# Altium PCB RevA2.PcbDoc (part 2 of 6) (continued)
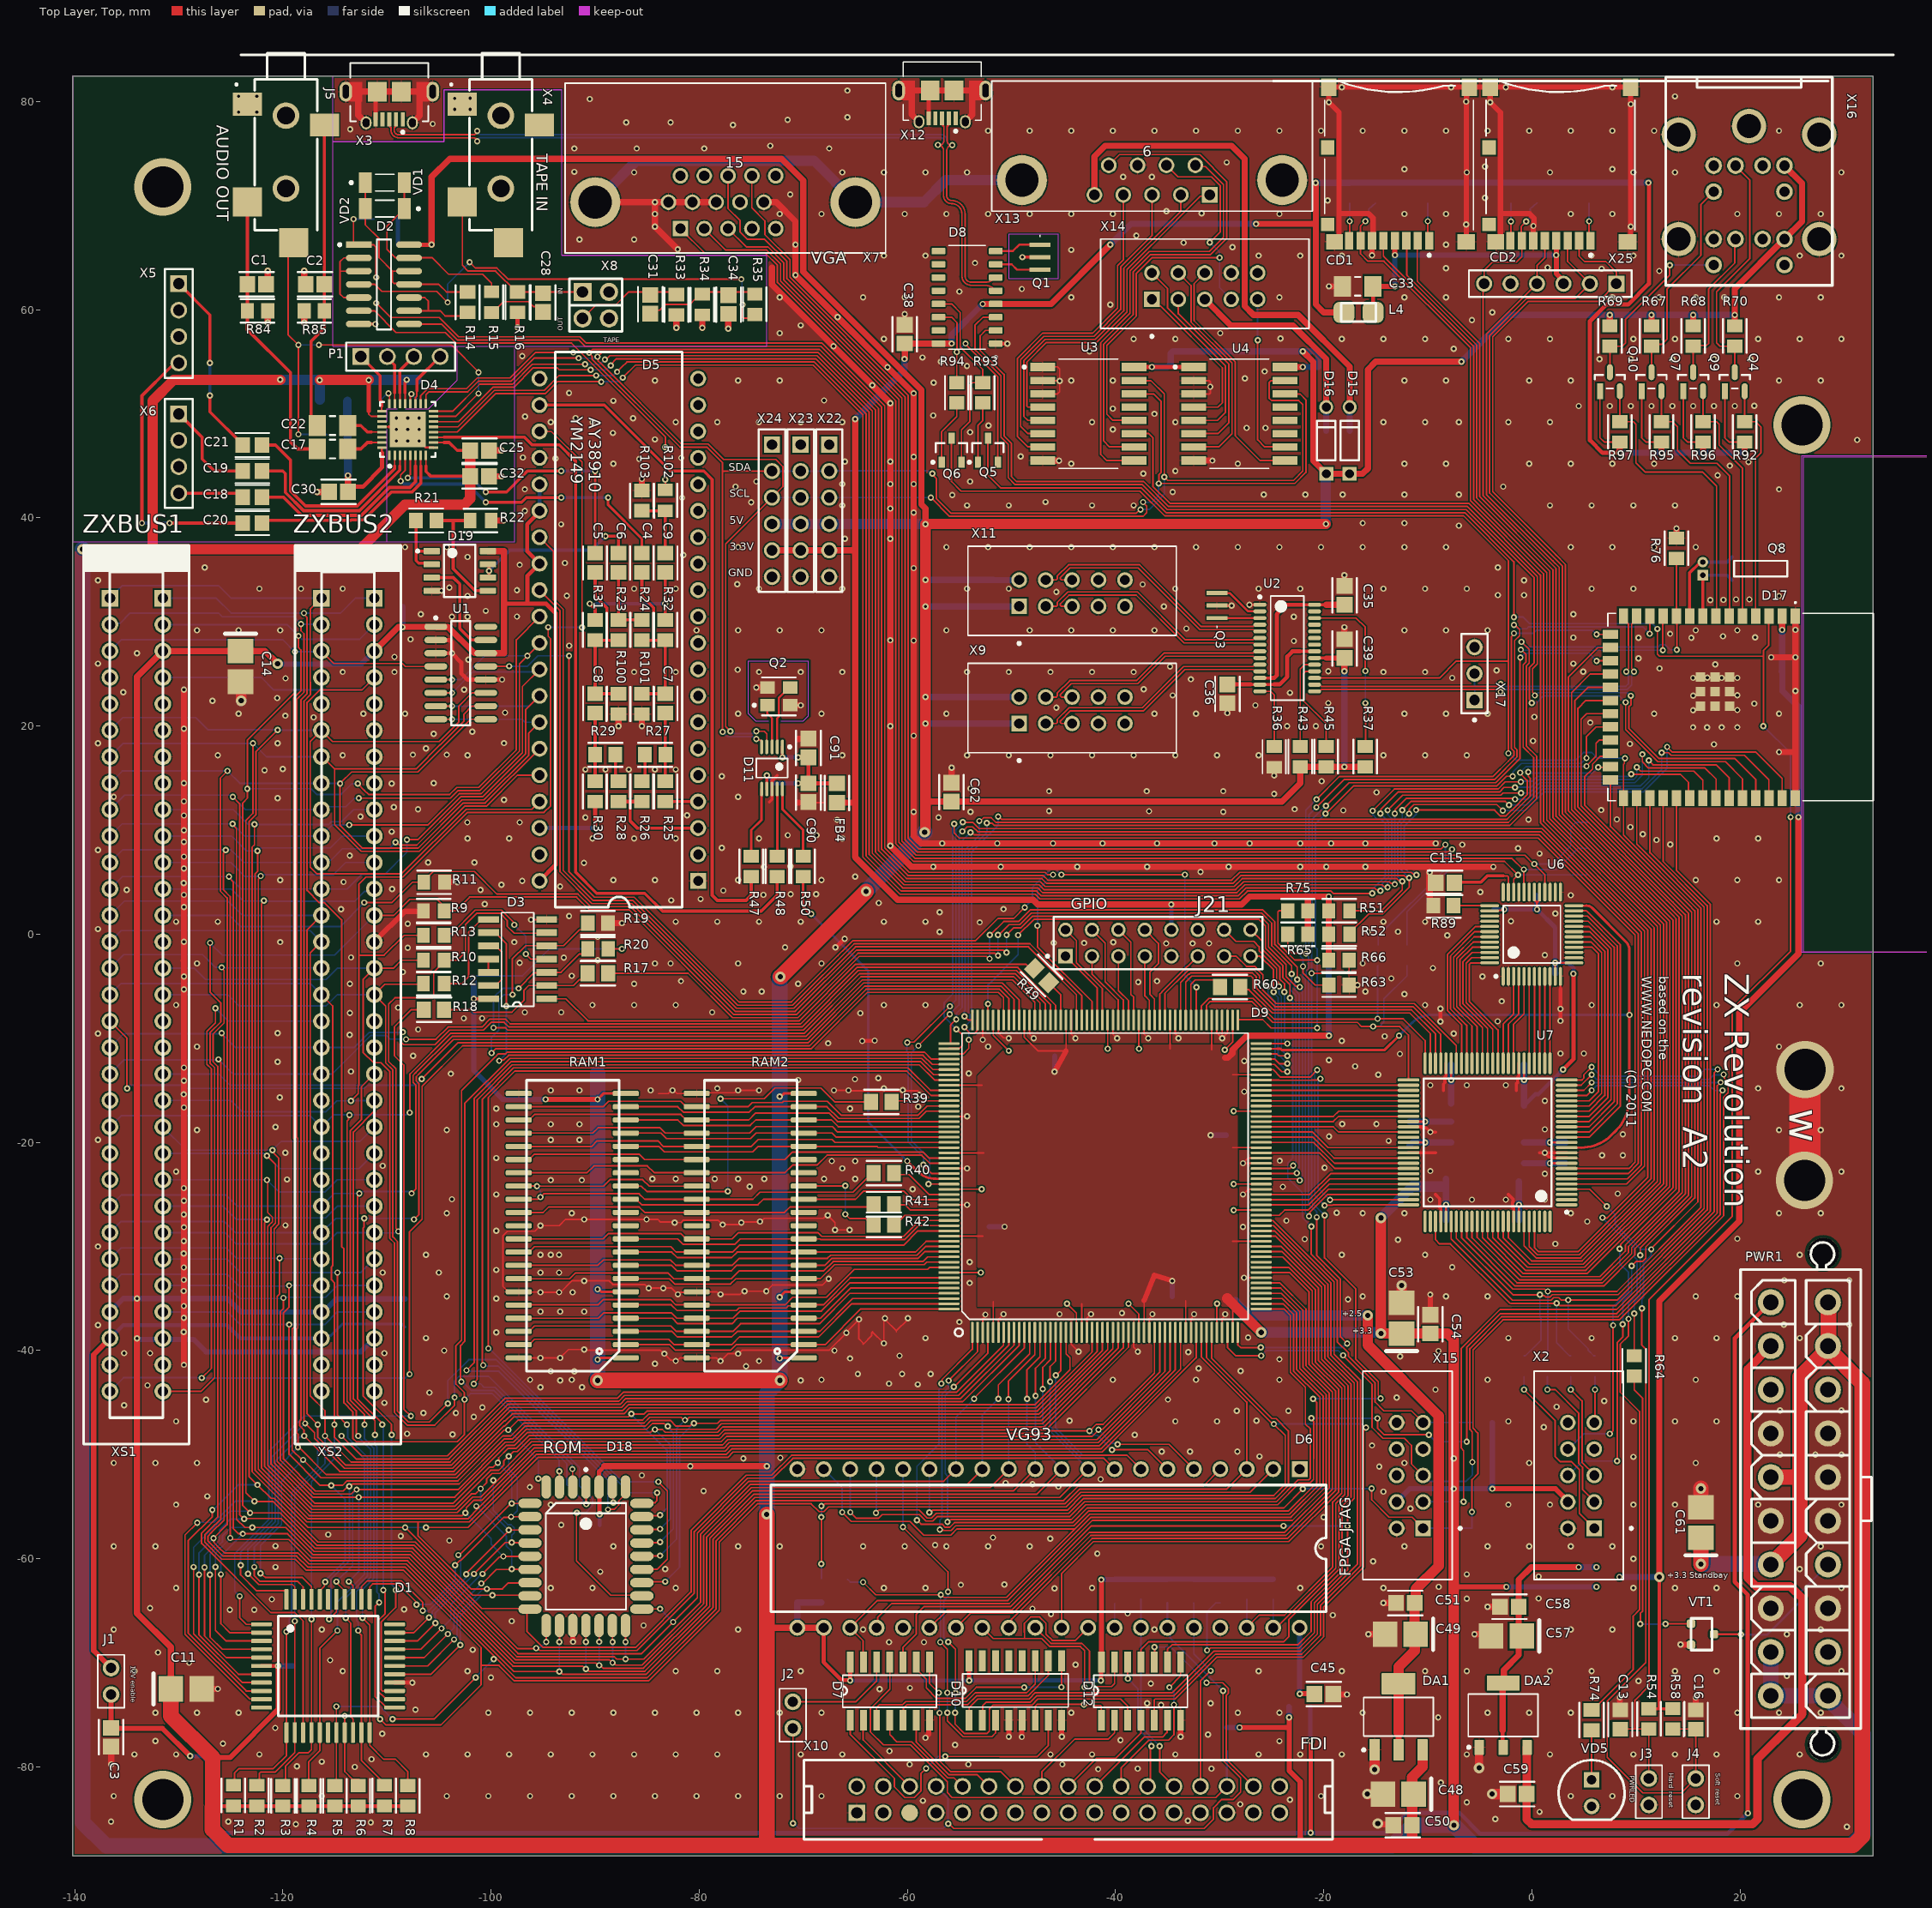
[diagram p0: Top Layer, Top view]
## Nets (pads, with @x,y where several pads share a name; then routed paths per layer and width w, separated by ;. In a path a pad name is that pad's centre, name@x,y a point inside that pad or via, vN(x,y) a via of type N, cw(c..) or ccw(c..) an arc to the next point about the centre after c; other vN are vias at no path point)
2V5: C49.1 C51.1 C77.1 C84.1 C86.1 C88.1 D9.21 D9.33 D9.48 D9.72 D9.77 D9.91 D9.106 D9.124 D9.130 D9.152 D9.185 D9.201 DA1.2 DA1.4 | length 94.9
  Top Layer, Top w0.15: D9.201@-56,-32.5 v1(-52.95,-32.5) ; D9.185@-56,-24.5 v1(-52.85,-24.5) ; D9.152@-51.75,-8.25 -51.75,-9.7 v1(-50.25,-11.2) ; v1(-44.65,-35.5) -43.75,-36.4 D9.21@-43.75,-38.25 ; v1(-40.75,-11) D9.130@-40.75,-8.25 ; v1(-38.75,-35.5) -37.75,-36.5 D9.33@-37.75,-38.25 ; v1(-37.75,-11) D9.124@-37.75,-8.25 ; D9.48@-30.25,-38.25 v1(-30.25,-35.5) ; v1(-29.504,-11.113) -28.75,-10.359 D9.106@-28.75,-8.25 ; v1(-28.65,-26.5) D9.72@-26,-26.5 ; v1(-28.65,-24) D9.77@-26,-24 ; v1(-28.65,-17) D9.91@-26,-17
  Top Layer, Top w0.6: DA1.2@-12.804,-78.363 -12.804,-76.721
  Top Layer, Top w1: v6(-15.754,-36.613) -15.754,-39.475 -8.944,-46.285 -8.944,-60.694 -11.154,-62.904 -11.154,-64.513 -11.279,-64.638 -11.279,-67.088 -11.254,-67.113 -11.254,-68.838 -12.804,-70.388 DA1.4@-12.804,-72.013 -12.804,-76.721
  Bottom Layer, Bottom w1: -28.504,-35.363 -27.254,-36.613 v6(-15.754,-36.613)
3V3: C23.1 C24.1 C25.1 C32.1 C38.1 C53.1 C54.1 C63.1 C64.1 C65.1 C66.1 C67.1 C68.1 C69.1 C70.1 C71.1 C72.1 C73.1 C76.1 C82.1 C85.1 C89.1 D4.8 D4.10 D4.21 D4.26 D8.4 D8.16 D9.5 D9.22 D9.34 D9.42 D9.51 D9.66 D9.84 D9.98 D9.110 D9.118 D9.138 D9.146 D9.165 D9.178 D9.194 FB4.1 J21.10 L1.2 L4.2 PWR1.1 PWR1.2 PWR1.11 Q4.1 Q7.1 Q9.1 Q10.1 R51.1 R52.1 R65.2 R66.2 R71.1 R73.1 R75.2 R77.2 R78.2 R79.2 R80.2 R81.2 R82.2 R92.1 R95.1 R96.1 R97.1 U6.11 U6.13 U6.29 U6.30 U6.38 U7.9 U7.13 U7.31 U7.45 U7.59 U7.63 U7.80 U7.94 VD4.1 X2.4 X15.4 X22.5 X23.5 X24.5 | length 1002.6
  Top Layer, Top w0.15: -111.75,50.25 -111.75,50 -111.5,49.75 D4.26@-110.475,49.75 ; D4.21@-108.25,50.975 -108.25,52 ; -106.25,45 D4.8@-106.25,46.025 ; D4.10@-105.525,47.25 -104.5,47.25 ; D9.194@-56,-29 -52.75,-29 ; D9.178@-56,-21 -52.65,-21 ; D9.165@-56,-14.5 -52.85,-14.5 ; D9.5@-51.75,-38.25 -51.75,-35.3 ; D9.146@-48.75,-8.25 -48.75,-9.913 -47.463,-11.2 -44.75,-11.2 D9.138@-44.75,-8.25 ; D9.22@-43.25,-38.25 -43.25,-35.5 ; D9.34@-37.25,-38.25 -37.25,-35.2 ; -34.75,-11 D9.118@-34.75,-8.25 ; D9.42@-33.25,-38.25 -33.25,-35.2 ; -30.75,-11.1 D9.110@-30.75,-8.25 ; D9.51@-28.75,-38.25 -28.75,-36.412 -28.75,-35.5 ; -28.75,-29.5 D9.66@-26,-29.5 ; -28.75,-20.5 D9.84@-26,-20.5 ; -28.75,-13.5 D9.98@-26,-13.5 ; -28.65,-35.5 -28.65,-35.4 ; Q10.1@6.55,52.18 6.55,47.7 6.952,47.298 R97.1@8.45,47.297 ; Q7.1@10.55,52.18 10.55,47.7 10.952,47.298 R95.1@12.45,47.297 ; Q9.1@14.55,52.18 14.55,47.7 14.952,47.298 R96.1@16.45,47.297 ; Q4.1@18.55,52.18 18.55,47.7 18.952,47.298 R92.1@20.45,47.297
  Top Layer, Top w0.2: U6.38@-4.05,2.25 -3.438,2.25 ccw(c-3.438,2.45) -3.404,2.253 v1(-2.66,2.381) ; U6.30@0.25,4.05 0.25,3.3 0.502,3.048 ; v1(0.502,2.381) 0.502,3.048 ; U6.29@0.75,4.05 0.717,4.017 0.717,3.267 0.502,3.052 0.502,3.048 ; U6.11@2.25,-4.05 2.25,-3.3 2.241,-2.951 cw(c2.441,-2.946) 2.241,-2.947 v1(2.24,-2.744) 2.938,-2.75 ccw(c2.94,-2.55) 2.94,-2.75 U6.13@4.05,-2.75
  Top Layer, Top w0.22: U7.63@-11.85,-20 v1(-10.25,-20) ; U7.59@-11.85,-18 v1(-10.25,-18) ; v1(-8.253,-26.002) -8.25,-26.005 U7.80@-8.25,-27.6 ; v1(-7.75,-14) U7.45@-7.75,-12.4 ; U7.94@-1.25,-27.6 v1(-1.25,-26) ; v1(-0.75,-14) U7.31@-0.75,-12.4 ; v1(1.75,-22) U7.9@3.35,-22 ; v1(1.75,-20) U7.13@3.35,-20
  Top Layer, Top w0.3: -108.25,52 -108.25,53.043 -108.106,53.187 v1(-108.106,53.268) ; -106.25,45 -106.25,44.475 -105.775,44 C32.1@-102,44 ; -104.5,47.25 -104.025,47.25 -103.25,46.475 C25.1@-102,46.475
  Top Layer, Top w0.4: -111.75,50.25 v1(-111.75,53.25) ; C38.1@-60.25,56.757 C38.1@-60.24,56.747 ; D8.16@-57.004,56.747 D8.16@-56.999,56.752 ; v1@-55.755,56.752 v1(-55.75,56.757) ; v1(-20.758,72.202) v1@-20.754,72.197 ; v1(3,-13) 4,-12 v1(4,-3.789) ; v1(8.45,46.25) 6.798,46.25 5.58,47.468 5.58,58.902 7.178,60.5 9.25,60.5 11.25,62.5 v1@11.25,72.25
  Top Layer, Top w0.5: v1(-45.85,-13.2) -44.75,-11.2 ; -37.25,-35.2 -36.265,-32.753 v1(-34.55,-33.3) ; -7.504,-62.904 -7.3,-62.7 v1(-2.45,-62.7) ; v1(-3.796,-53.273) 2.283,-53.273 X2.4@3.535,-54.526
  Top Layer, Top w0.6: X24.5@-73,36.88 X23.5@-70.25,36.88 X22.5@-67.5,36.88 -65,36.88 ; FB4.1@-66.75,12.649 -65,12.649 ; v1(-65,49.5) -65,36.88 ; v1(-60.264,55.272) -60.24,55.296 -60.24,56.747 D8.16@-57.004,56.747 ; D8.16@-56.999,56.752 v1@-55.755,56.752 ; v1(-52.75,60.557) D8.4@-51.504,60.557 -46.193,60.557 v1(-40.5,66.25) ; -29.476,-11.863 -29.193,-11.863 -28.754,-11.424 -28.754,-11.131 -27.373,-9.749 v1(-19.5,-9.749) ; v1(-26.5,68.25) -20.817,68.25 -20.754,68.187 ; R65.2@-21.499,0 R75.2@-21.499,2.25 -21.5,3.625 ; v1@-20.754,72.197 -20.754,68.187 ; R66.2@-19.511,-2.5 R52.1@-19.51,0 R51.1@-19.51,2.25 v1(-19.51,3.625) -21.5,3.625 ; L4.2@-18.044,59.75 -20,59.75 -20.754,60.504 -20.754,68.187 ; v1(8.45,46.25) R97.1@8.45,47.297 ; v1(12.45,46.25) R95.1@12.45,47.297 ; v1(16.45,46.25) R96.1@16.45,47.297 ; v1(20.45,46.25) R92.1@20.45,47.297 ; -65,12.649 -65,7.404 -60.921,3.325 -47.916,3.325 -47.454,2.863 v1(-34.637,2.863) -27.87,2.863 -27.108,3.625 -21.5,3.625 ; -65,12.649 -65,36.88
  Top Layer, Top w1: v3(-139.25,37) -132.5,37 ; v1(-120.25,53.273) -130.477,53.273 -132.5,51.25 -132.5,37 ; v1(-116.452,53.25) v1(-111.75,53.25) ; C25.1@-102,46.475 C32.1@-102,44 -102,41.846 -102.586,41.26 -108.293,41.26 -112.553,37 -132.5,37 ; -29.25,-35 -28.75,-35.5 v3(-26,-38.25) ; v3(-14.502,-27.252) v6(-14.502,-38.361) -12.254,-38.361 -12.252,-38.363 -9.506,-38.363 -9.504,-38.361 -8.09,-38.361 -7.504,-38.947 v1(-7.504,-50.368) -7.504,-62.904 -7.504,-85.603 v3(-7.496,-85.61)
  Bottom Layer, Bottom w0.4: J21.10@-34.637,0.426 v1(-34.637,2.863) ; C70.1@-3.695,2.381 v1(-2.66,2.381) v1(0.502,2.381) ; -0.75,-16.466 0.358,-15.358 0.642,-15.358 v1(3,-13) ; v1@0.515,2.381 2.24,0.657 v1(2.24,-2.744) 3.494,-2.744 4,-3.25 v1(4,-3.789)
  Bottom Layer, Bottom w0.5: C89.1@-52.15,-28.1 v1(-50.65,-28.1) ; v1(-45.85,-13.2) C85.1@-45.85,-11.7 ; C82.1@-34.55,-34.8 v1(-34.55,-33.3) ; v1(-30.85,-19.3) C76.1@-29.35,-19.3 ; X15.4@-12.984,-54.526 -11.731,-53.273 v1@-7.509,-53.273 ; v1(-7.498,-53.273) v1(-3.796,-53.273) R73.1@-3.796,-51.986 R71.1@-3.796,-46.906 ; v1(-2.45,-62.7) v1(6.213,-62.7)
  Bottom Layer, Bottom w0.6: L1.2@-116.581,51.25 L1.2@-116.452,51.378 ; v1(-65,49.5) -60.264,54.236 v1(-60.264,55.272) ; v1(-55.75,56.757) -55.75,57.557 v1(-52.75,60.557) ; v1(-40.5,66.25) -38.5,68.25 v1(-26.5,68.25) ; v1(-20.758,72.202) -17.502,72.202 R82.2@-17.5,72.204 R81.2@-15,72.204 R80.2@-10,72.204 R79.2@-2,72.204 R78.2@0.5,72.204 R77.2@5.5,72.204 v1(11.204,72.204) v1@11.25,72.25 ; v1(-19.51,3.625) -19.51,-9.74 v1(-19.5,-9.749) ; C71.1@-11.75,-20.281 -11.457,-19.988 -10.262,-19.988 v1(-10.25,-20) -7.75,-20 ; C69.1@-11.75,-18 v1(-10.25,-18) -7.75,-18 ; C68.1@-8.253,-27.5 v1(-8.253,-26.002) -8.253,-23.503 -8.25,-23.5 ; -7.75,-16.25 v1(-7.75,-14) C72.1@-7.75,-12.5 ; C64.1@-1.25,-27.5 v1(-1.25,-26) -1.25,-23.75 ; -0.75,-22 v1(1.75,-22) C63.1@3.25,-22 ; -0.75,-20 v1(1.75,-20) C67.1@3.25,-20 ; -0.75,-16.466 v1(-0.75,-14) C73.1@-0.75,-12.5 ; v1(0.502,2.381) C66.1@0.502,3.678 ; v1(2.24,-2.744) 2.24,-3.439 C65.1@2.25,-3.789 ; v1(8.45,46.25) v1(12.45,46.25) v1(16.45,46.25) v1(20.45,46.25)
  Bottom Layer, Bottom w0.8: -108.797,53.25 -108.779,53.268 ; C24.1@-107.143,53.268 C24.1@-107.125,53.25
  Bottom Layer, Bottom w1: v1(-120.25,53.273) -120.227,53.25 v1(-116.452,53.25) L1.2@-116.452,51.378 ; v1(-111.75,53.25) C23.1@-110.475,53.25 -108.797,53.25 ; -108.779,53.268 v1(-108.106,53.268) C24.1@-107.143,53.268 ; v3(-26,-38.25) -14.613,-38.25 v6(-14.502,-38.361) ; v3(-14.502,-27.252) -11.5,-24.25 -8.609,-24.25
  Bottom Layer, Bottom w1.5: v3(-139.25,37) -139.25,-85.296 -136.956,-87.59 -13.415,-87.59 -11.438,-85.613 -7.496,-85.613 -5.519,-87.59 30.66,-87.59 31.85,-86.4 31.85,-76.828 28.456,-73.434 PWR1.11@28.456,-73.163 23.046,-73.163 PWR1.1@22.996,-73.113 ; PWR1.1@22.956,-73.163 PWR1.2@22.956,-68.963
5V0: C11.1 C14.1 C15.1 C26.1 C37.1 C39.1 C46.1 C48.1 C50.1 C61.1 C62.1 C74.1 C83.1 C87.2 C92.1 C93.1 C94.1 C95.1 C96.1 C97.1 C98.1 C99.1 C100.1 C101.1 C102.1 C103.1 C104.1 C105.1 C106.1 C107.1 C108.1 D1.6 D2.14 D5.25 D5.26 D5.28 D5.40 D6.21 D6.22 D7.14 D10.16 D12.14 D15.1 D16.1 D18.32 D19.8 DA1.3 PWR1.4 PWR1.6 PWR1.19 PWR1.20 R1.2 R2.2 R3.1 R4.1 R5.1 R6.1 R7.2 R8.1 R20.2 R37.2 R43.2 R44.2 R45.2 R46.1 R53.2 R55.2 R56.2 R57.2 R59.2 R61.2 R62.2 R67.1 R68.1 R69.1 R70.1 R83.2 RAM1.1 RAM1.6 RAM1.21 RAM2.1 RAM2.6 RAM2.21 U1.1 U1.14 U2.20 U3.16 U4.1 U4.16 VD3.2 X9.1 X9.2 X11.1 X11.2 X16.4 X16.10 X22.4 X23.4 X24.4 XS1.A3 XS1.A29 XS1.B28 XS2.A3 XS2.A29 XS2.B28 | length 1264.7
  Top Layer, Top w0.15: R20.2@-88.35,-1.4 -88.345,-1.404 v1(-87.425,-1.404)
  Top Layer, Top w0.254: v1(-101.65,-6.2) -100.238,-6.2 ; v1(-89.754,-40.863) -89.66,-40.863 -89.497,-40.7 RAM1.1@-87.05,-40.7 ; v1(-89.754,-34.113) -89.66,-34.113 -89.424,-34.35 RAM1.6@-87.1,-34.35 ; v1(-89.754,-15.863) -89.19,-15.3 RAM1.21@-87.05,-15.3 ; v1@-89.584,-55.681 v1(-89.557,-55.707) ; v1(-72.264,-40.739) -72.245,-40.719 -69.97,-40.719 RAM2.1@-69.95,-40.7 ; v1(-72.254,-34.863) -71.74,-34.35 RAM2.6@-70,-34.35 ; v1(-72.254,-15.6) -72.16,-15.6 -71.86,-15.3 RAM2.21@-69.95,-15.3
  Top Layer, Top w0.3: U2.20@-20.875,26.54 -19.75,26.54
  Top Layer, Top w0.4: -126.754,-83.863 -126.088,-83.863 -126,-83.775 -120,-83.775 -115,-83.775 R8.1@-107.85,-83.775 ; D1.6@-122.05,-70.3 v1(-120.45,-70.3) ; D2.14@-107.112,66.25 v1(-105.7,66.25) ; -98.75,31.756 -96.5,31.756 ; D5.40@-95.335,5.125 -93.791,6.669 -93.791,30.85 -94.697,31.756 -96.5,31.756 ; D5.25@-95.335,43.225 D5.25@-95.186,43.076 ; D5.26@-95.186,40.834 D5.26@-95.335,40.685 -95.335,40.588 -96.524,39.399 -96.524,36.794 D5.28@-95.335,35.605 -96.5,34.44 -96.5,31.756 ; D18.32@-89.61,-53.11 -89.61,-51.618 -89.105,-51.113 ; v1@-89.584,-55.681 D18.32@-89.584,-53.129 ; v1(-80.85,-51.1) v1@-80.836,-51.113 ; D6.22@-68.03,-66.63 -68.05,-66.65 -68.05,-69.932 -66.319,-71.663 -65.528,-71.663 v1(-65.49,-71.701) D7.14@-65.49,-69.932 ; v1@-54.059,-71.694 D10.16@-54.06,-69.805 ; v1@-41.389,-71.675 D12.14@-41.389,-69.961 ; U3.16@-38.2,54.5 v1(-36.5,54.5) U4.1@-32.5,54.5
  Top Layer, Top w0.5: -126.75,-79.1 -125.072,-79.1 -120.45,-74.478 v1(-120.45,-70.3) ; v1(-94.754,-15.863) v1(-89.754,-15.863) ; D6.22@-68.05,-66.6 D6.22@-67.937,-66.6 ; D10.16@-54.06,-69.805 D10.16@-54.06,-69.805 ; v1(-54.058,-71.694) v1@-54.059,-71.694 ; v1(-41.408,-71.694) v1@-41.389,-71.675 ; D12.14@-41.389,-69.961 D12.14@-41.36,-69.932 v1(-41.36,-62.007) v1@-41.362,-62.005 ; v1(-28.075,-76.21) -23.316,-76.21 ; v1(-23.316,-75.25) -23.316,-76.21 ; -22.25,-87.54 -22.25,-81.42 -23.316,-80.354 -23.316,-76.21 ; -19.75,26.54 C39.1@-18,26.54
  Top Layer, Top w0.6: C11.1@-130.75,-72.5 -130.75,-68.5 -134,-65.25 v1(-134,-38.83) v1(-134,-35) -134,24.74 XS1.A3@-131.53,27.21 C14.1@-124.068,27.21 ; C14.1@-124,27.142 C14.1@-124.068,27.21 ; v3(-120.5,26) -121.71,27.21 C14.1@-124.068,27.21 ; XS2.A3@-111.21,27.21 -108.88,29.54 U1.1@-105.3,29.54 -105.281,29.521 -104.119,29.521 -101.618,27.019 -100.519,27.019 U1.14@-100.5,27 -98.75,27 -98.75,31.756 -98.75,36.81 D19.8@-100.3,36.81 ; v1(-105.7,66.25) -105.7,72.76 -103.96,74.5 -72.08,74.5 -70,72.42 -70,63.647 -58.641,52.288 -58.641,41.289 -58.25,40.898 v1(-58.25,39.41) ; -89.105,-51.113 -80.863,-51.113 v1(-80.85,-51.1) ; v1@-80.836,-51.113 v1(-73.504,-51.113) ; -73.5,-66.63 D6.21@-70.57,-66.63 ; D6.21@-70.537,-66.63 D6.22@-68.03,-66.63 ; -58.38,12.75 -58.25,12.75 C62.1@-55.75,12.75 -24,12.75 -22.25,14.5 R43.2@-22.25,16.092 R45.2@-19.75,16.092 v1(-18,16.092) R37.2@-16,16.092 ; X9.2@-49.27,22.77 X9.2@-49.25,22.79 ; X11.2@-49.27,34.02 X11.2@-49.25,34.04 ; U4.16@-23.7,54.5 v1(-22,54.5) ; v1(-22,56) -21,55 -21,45.49 D16.1@-19.75,44.24 D15.1@-17.5,44.24 -16.276,44.24 -15.75,44.766 -15.75,54.25 -14.994,55.006 v1(-6.75,55.006) ; v1(-18,25.26) C39.1@-18,26.54 ; R69.1@7.5,58.453 v1(7.5,59.5) ; R67.1@11.5,58.453 v1(11.5,59.5) ; R68.1@15.5,58.453 v1(15.5,59.5) ; R70.1@19.5,58.453 v1(19.5,59.5) 19.5,62.022 X16.10@24.27,66.792 25.97,68.492 25.97,72.142 X16.4@24.27,73.842 ; PWR1.20@28.456,-35.363 PWR1.20@28.456,-35.313
  Top Layer, Top w1: v3(-58.334,9.807) -58.25,9.892 -58.25,12.75 v1(-58.25,20.25) v1(-58.25,22.79) v1(-58.25,31.5) v1(-58.25,34.04) v1(-58.25,39.41) -58.242,39.418 v1(-19.787,39.418) ; -11.514,-87.451 -11.514,-87.373 -11.504,-87.363 -11.504,-82.613 -11.499,-82.608 -11.499,-80.999 -10.504,-80.004 DA1.3@-10.504,-78.363
  Top Layer, Top w1.5: C11.1@-130.75,-72.5 -130.759,-72.509 -130.759,-75.091 -126.75,-79.1 -126.75,-83.5 ; -126.754,-83.863 -126.754,-86.024 -125.238,-87.54 -73.5,-87.54 ; v3(-89.754,-42.863) v3(-72.254,-42.863) ; v3(-73.511,-55.75) -73.5,-55.761 -73.5,-66.63 -73.5,-87.54 ; v3(-72.203,-4.085) -72.176,-4.085 v3(-63.966,4.125) ; v3(16.25,-60.5) C61.1@16.25,-58 ; PWR1.4@22.956,-60.563 25.75,-57.769 25.75,-52.163 ; PWR1.6@22.956,-52.163 25.75,-52.163 ; PWR1.19@28.506,-39.613 28.506,-39.884 31.75,-43.128 31.75,-86.661 30.871,-87.54 -22.25,-87.54 -73.5,-87.54 ; PWR1.20@28.506,-35.363 28.506,-39.513 PWR1.19@28.456,-39.563 28.456,-39.834 25.75,-42.54 25.75,-52.163
  Bottom Layer, Bottom w0.15: C106.1@-101.65,-4.5 -101.65,-4 -96.963,-4 -94.363,-1.4 -87.429,-1.4 v1(-87.425,-1.404)
  Bottom Layer, Bottom w0.4: R83.2@-108.95,68.71 C107.1@-108.95,66.25 ; C107.1@-108.916,66.216 C107.1@-108.95,66.25 ; v1(-105.7,66.25) C107.1@-108.95,66.25 ; D5.26@-95.335,40.685 D5.25@-95.335,43.225 ; C105.1@-89.557,-56.759 v1(-89.557,-55.707) ; v1(-65.49,-71.701) -65.487,-71.698 -54.061,-71.698 v1(-54.058,-71.694) ; C87.2@-54,-69.422 -54,-71.609 -54.058,-71.667 v1(-54.058,-71.694) ; v1@-41.392,-71.711 v1(-41.408,-71.694) ; C46.1@-41.382,-69.34 -41.408,-69.366 v1(-41.408,-71.694) ; v1(-54.058,-71.694) v1(-41.408,-71.694)
  Bottom Layer, Bottom w0.5: XS1.B28@-136.61,-36.29 -135.32,-35 v1(-134,-35) -125.325,-35 -124.035,-36.29 XS2.B28@-116.29,-36.29 -116.094,-36.29 -114.844,-35.04 C26.1@-108.234,-35.04 ; v1(-134,-38.83) -133.973,-38.83 -133.883,-38.92 -131.62,-38.92 XS1.A29@-131.53,-38.83 -131.44,-38.92 -128.588,-38.92 -127.388,-40.12 -112.498,-40.12 -111.21,-38.831 XS2.A29@-111.21,-38.83 ; v3@-120.531,25.96 -112.46,25.96 XS2.A3@-111.21,27.21 ; v1(-120.45,-70.3) C108.1@-119.05,-70.3 ; C106.1@-101.75,-4.4 C106.1@-101.65,-4.5 ; v1(-101.65,-6.2) -101.65,-13.1 -98.887,-15.863 v1(-94.754,-15.863) ; v1(-41.36,-62.007) -41.358,-62.006 -40.091,-62.006 -40.067,-61.981 R56.2@-35,-61.981 ; R56.2@-35,-61.95 R57.2@-32.47,-61.95 ; R57.2@-32.47,-61.981 -29.93,-61.981 -24.873,-61.981 R59.2@-24.842,-61.95 ; R44.2@-29.295,-76.2 -28.085,-76.2 v1(-28.075,-76.21) ; VD3.2@-23.326,-74.21 -23.321,-74.215 -23.321,-75.245 v1(-23.316,-75.25)
  Bottom Layer, Bottom w0.6: v1(-108.5,29.5) C15.1@-108.5,31.45 ; v1(-101.65,-6.2) C106.1@-101.65,-4.5 ; v1(-80.85,-51.1) C100.1@-79.55,-51.1 ; D6.21@-70.57,-66.63 C37.1@-70.57,-64.2 R62.2@-68.25,-64.2 ; v1(-58.25,20.25) C92.1@-51.75,20.25 X9.1@-49.25,20.25 ; v1(-58.25,22.79) C93.1@-51.75,22.79 -49.29,22.79 X9.2@-49.27,22.77 ; v1(-58.25,31.5) C94.1@-51.75,31.5 X11.1@-49.25,31.5 ; v1(-58.25,34.04) C95.1@-51.75,34.04 C95.1@-51.773,34.017 ; C95.1@-51.75,34.02 X11.2@-49.27,34.02 ; v1(-36.5,54.5) C83.1@-35,54.5 -34.694,54.806 -34.694,55.797 -34.495,55.995 ; -34.495,56 v1(-22,56) -20.5,56 C74.1@-20.5,54.5 v1(-22,54.5) ; D16.1@-19.787,44.203 D16.1@-19.75,44.24 ; v1(-18,16.092) v1(-18,25.26) ; v1(-6.75,55.006) -2.256,59.5 v1(7.5,59.5) v1(11.5,59.5) v1(15.5,59.5) v1(19.5,59.5)
  Bottom Layer, Bottom w1: X24.4@-73,39.42 X23.4@-70.25,39.42 X22.4@-67.5,39.42 -67.49,39.41 v1(-58.25,39.41) ; v1(-19.787,39.418) D16.1@-19.787,44.203
  Bottom Layer, Bottom w1.5: v3(-89.754,-42.863) v1(-89.754,-40.863) v1(-89.754,-34.113) C103.1@-89.754,-30.8 v1(-89.754,-15.863) C101.1@-89.754,-13.363 ; v3(-73.511,-55.75) -73.504,-55.743 v1(-73.504,-51.113) -73.504,-44.113 v3(-72.254,-42.863) -72.254,-40.75 v1(-72.264,-40.739) C98.1@-72.264,-37.61 -72.254,-37.6 v1(-72.254,-34.863) C97.1@-72.254,-30.75 v1(-72.254,-15.6) C99.1@-72.254,-13.5 -72.254,-4.136 v3(-72.203,-4.085) ; v3(-63.966,4.125) -63.966,4.15 -58.334,9.781 v3(-58.334,9.807) ; v3(16.25,-60.5) 22.893,-60.5 PWR1.4@22.956,-60.563
5V0_STBY: C59.1 DA2.3 PWR1.9 | length 81.5
  Top Layer, Top w0.8: C59.1@-0.504,-82.613 -0.504,-85.031 -0.035,-85.5 21.212,-85.5 21.681,-85.031 21.681,-79.237 24.918,-76 26,-74.918 26,-63.828 24.835,-62.663 21.566,-62.663 20.724,-61.821 20.724,-41.795 PWR1.9@22.956,-39.563 ; C59.1@-0.504,-82.363 -0.479,-82.338 -0.479,-78.138 DA2.3@-0.454,-78.113
A0: D1.27 D9.44 D18.12 XS1.A9 XS2.A9 | length 214.5
  Top Layer, Top w0.15: v1(-122.725,10.568) -122.725,8.604 -122.95,8.379 -122.95,-51.642 -117.592,-57 v1(-108.239,-57) -101.74,-63.5 v1(-99.85,-63.5) -99.845,-63.505 -96.57,-63.505 D18.12@-96.565,-63.51 ; D1.27@-109.25,-71.1 -105.76,-71.1 v1(-102.95,-68.29) ; v1(-106.25,-57) -102.217,-57 -95.48,-50.263 -77.26,-50.263 -76.74,-49.744 -41.294,-49.744 -32.25,-40.7 D9.44@-32.25,-38.25
  Bottom Layer, Bottom w0.15: XS1.A9@-131.53,11.97 -124.733,11.97 -123.331,10.568 v1(-122.725,10.568) ; v1@-122.755,10.53 -115.614,10.53 -115.339,10.805 -114.365,10.805 -113.2,11.97 XS2.A9@-111.21,11.97 ; v1(-108.239,-57) v1(-106.25,-57) ; v1(-102.95,-68.29) -102.95,-66.216 -102.95,-65.501 -100.948,-63.5 v1(-99.85,-63.5)
A1: D1.28 D9.41 D18.11 XS1.A10 XS2.A10 | length 209.3
  Top Layer, Top w0.15: v1(-122.425,8.011) -122.425,6.046 -122.65,5.821 -122.65,-51.518 -117.707,-56.461 -107,-56.461 ; D1.28@-109.25,-70.3 -106.089,-70.3 v1(-103.55,-67.761) ; D18.11@-96.255,-62.3 -96.279,-62.324 -98.324,-62.324 -98.9,-62.9 v1(-100.401,-62.9) -101.915,-62.9 -107,-57.815 -107,-56.461 ; D9.41@-33.75,-38.25 -33.75,-41.775 -41.418,-49.444 -76.865,-49.444 -77.384,-49.963 -95.604,-49.963 -102.101,-56.461 -107,-56.461
  Bottom Layer, Bottom w0.15: XS1.A10@-131.53,9.43 -124.911,9.43 -123.491,8.011 -122.398,8.011 -122.112,8.297 -115.434,8.297 -114.3,9.43 XS2.A10@-111.21,9.43 ; v1(-103.55,-67.761) -103.55,-67.748 -103.25,-67.448 -103.25,-66.341 -103.25,-65.377 -100.823,-62.95 -100.451,-62.95 v1(-100.401,-62.9)
A2: D1.29 D9.40 D18.10 XS1.A11 XS2.A11 | length 203.3
  Top Layer, Top w0.15: v1(-122.125,5.603) -122.125,5.515 -122.35,5.29 -122.35,-51.394 -117.583,-56.161 -102.226,-56.161 v1@-101.207,-55.142 ; D1.29@-109.25,-69.5 -106.418,-69.5 v1(-104.15,-67.231) ; v1(-101.402,-54.948) v1@-101.207,-55.142 ; v1(-100.937,-62.375) -100.831,-62.375 -99.486,-61.03 v1@-98,-61.03 ; v1(-98,-61) -97.985,-61.015 -96.27,-61.015 D18.10@-96.255,-61.03 ; D9.40@-34.25,-38.25 -34.25,-41.851 -41.542,-49.144 -76.989,-49.144 -77.508,-49.663 -95.728,-49.663 v1@-101.207,-55.142
  Bottom Layer, Bottom w0.15: XS1.A11@-131.53,6.89 -124.998,6.89 -123.668,5.56 -122.168,5.56 v1(-122.125,5.603) -122.003,5.603 -121.87,5.736 -115.122,5.736 -113.968,6.89 XS2.A11@-111.21,6.89 ; v1(-104.15,-67.231) -103.55,-66.631 -103.55,-64.988 v1(-100.937,-62.375) ; v1(-101.402,-54.948) -98.525,-57.825 -98.525,-58.757 -98,-59.282 v1(-98,-61)
A3: D1.30 D9.39 D18.9 XS1.A12 XS2.A12 | length 197.9
  Top Layer, Top w0.15: v1(-121.825,3.233) -121.825,3.145 -122.05,2.92 -122.05,-51.27 -117.459,-55.861 -102.777,-55.861 -102.502,-55.586 v1(-102.464,-55.586) -102.378,-55.5 -102.378,-55.111 -101.64,-54.373 -100.862,-54.373 -95.852,-49.363 -77.633,-49.363 -77.113,-48.844 -41.667,-48.844 -34.75,-41.927 D9.39@-34.75,-38.25 ; D1.30@-109.25,-68.7 -106.747,-68.7 v1(-104.75,-66.702) ; v1(-100.806,-61.458) -99.191,-59.843 -98.875,-59.843 v1(-98.812,-59.78) ; v1@-98.801,-59.77 D18.9@-96.359,-59.77
  Bottom Layer, Bottom w0.15: XS1.A12@-131.53,4.35 -124.954,4.35 -123.789,3.185 -121.872,3.185 v1(-121.825,3.233) ; v1@-121.825,3.161 -113.105,3.161 -112.137,4.128 -111.432,4.128 XS2.A12@-111.21,4.35 ; v1(-104.75,-66.702) -103.85,-65.802 -103.85,-64.417 -101.416,-61.983 ; v1(-102.464,-55.586) -99.986,-58.063 -99.986,-58.606 v1(-98.812,-59.78) ; -101.414,-61.983 -100.889,-61.458 v1(-100.806,-61.458)
A4: D1.31 D9.38 D18.8 XS1.A24 XS2.A24 | length 167.5
  Top Layer, Top w0.15: v1(-121.525,-27.407) -121.525,-27.495 -121.75,-27.72 -121.75,-51.145 -117.334,-55.561 -103.252,-55.561 -101.764,-54.073 -100.986,-54.073 v1@-99.581,-52.668 ; D1.31@-109.25,-67.9 -107.076,-67.9 v1(-105.35,-66.173) ; v1(-101.632,-61.458) -98.607,-58.434 v1(-98,-58.434) ; v1(-99.776,-52.474) v1@-99.581,-52.668 ; v1@-97.959,-58.43 -97.927,-58.462 -96.533,-58.462 D18.8@-96.52,-58.475 ; D9.38@-35.25,-38.25 -35.25,-42.003 -41.791,-48.544 -77.237,-48.544 -77.757,-49.063 -95.977,-49.063 v1@-99.581,-52.668
  Bottom Layer, Bottom w0.15: XS1.A24@-131.53,-26.13 -125.723,-26.13 -124.445,-27.407 -121.403,-27.407 -121.252,-27.256 -115.896,-27.256 -114.77,-26.13 XS2.A24@-111.21,-26.13 ; v1(-105.35,-66.173) -105.35,-65.188 -101.632,-61.47 v1(-101.632,-61.458) ; v1(-99.776,-52.474) -99.776,-55.339 -98.387,-56.728 -98.069,-56.728 -97.762,-57.035 -97.762,-57.511 -98,-57.75 v1(-98,-58.434)
A5: D1.32 D6.5 D9.37 D18.7 XS1.A23 XS2.A23 | length 179.4
  Top Layer, Top w0.15: v1(-121.525,-23.603) -121.45,-23.678 -121.45,-26.74 -121,-27.19 -121,-27.625 -121.307,-27.932 -121.45,-28.075 -121.45,-51.021 -117.21,-55.261 -103.379,-55.261 -101.891,-53.773 -101.499,-53.773 v1(-100.996,-53.27) -100.413,-52.686 -100.413,-52.297 -99.915,-51.8 -99.137,-51.8 -96.101,-48.763 -77.881,-48.763 -77.362,-48.244 -42.236,-48.244 -41.634,-47.642 v1(-41.634,-47.613) -41.587,-47.567 -41.238,-47.567 -35.75,-42.078 D9.37@-35.75,-38.25 ; D1.32@-109.25,-67.1 -107.406,-67.1 v1(-105.95,-65.644) ; v1(-102.382,-61.478) -102.382,-61.413 -98.287,-57.318 v1(-98.287,-57.253) -98.27,-57.236 D18.7@-96.385,-57.236 ; v1(-39.805,-48.997) -34.862,-48.997 D6.5@-32.47,-51.39
  Bottom Layer, Bottom w0.15: XS1.A23@-131.53,-23.59 -121.713,-23.59 v1@-121.612,-23.69 ; v1(-121.525,-23.603) v1@-121.612,-23.69 ; XS2.A23@-111.21,-23.59 -114.77,-23.59 -115.934,-24.754 -120.374,-24.754 -121.437,-23.69 v1@-121.612,-23.69 ; v1(-105.95,-65.644) -105.95,-65.631 -105.65,-65.331 -105.65,-65.064 -102.444,-61.858 -102.444,-61.54 v1(-102.382,-61.478) ; v1(-100.996,-53.27) -100.996,-54.543 v1(-98.287,-57.253) ; v1(-41.634,-47.613) -40.336,-48.911 -39.891,-48.911 v1(-39.805,-48.997)
A6: D1.34 D6.6 D9.36 D18.6 XS1.A22 XS2.A22 | length 185.1
  Top Layer, Top w0.15: v1(-121.524,-21.284) -120.7,-22.108 -120.7,-27.749 -121.133,-28.182 -121.133,-50.913 -117.086,-54.961 -103.503,-54.961 -100.042,-51.5 -99.264,-51.5 -98.775,-51.011 -98.775,-50.624 v1(-98.3,-50.149) ; D1.34@-111.65,-63.9 -111.65,-62.7 -111.375,-62.425 -108.912,-62.425 -107.236,-64.1 -107.236,-64.314 v1(-107.15,-64.4) ; v1(-103.434,-60.615) -102.988,-60.169 -102.919,-60.169 -98.777,-56.027 -98.116,-56.027 -98.054,-55.965 -96.27,-55.965 D18.6@-96.255,-55.95 ; v1@-98.25,-50.149 -98.25,-50.099 -97.851,-49.7 -97.462,-49.7 -96.225,-48.463 -78.005,-48.463 -77.486,-47.944 -46.595,-47.944 -46.367,-47.715 v1(-42.493,-47.715) ; v1(-42.493,-47.715) -42.478,-47.715 -41.851,-47.088 -41.184,-47.088 -36.25,-42.154 D9.36@-36.25,-38.25 ; v1(-40.335,-49.528) -36.872,-49.528 D6.6@-35.01,-51.39
  Bottom Layer, Bottom w0.15: XS1.A22@-131.53,-21.05 -121.837,-21.05 -121.603,-21.284 v1(-121.524,-21.284) -120.293,-22.515 -112.675,-22.515 XS2.A22@-111.21,-21.05 ; v1(-107.15,-64.4) -105.834,-64.4 -103.411,-61.977 -103.411,-60.638 v1(-103.434,-60.615) ; v1(-98.3,-50.149) -98.3,-51.398 -97.475,-52.223 -97.475,-55.386 v1(-98.069,-55.98) ; v1(-42.493,-47.715) -42.07,-48.138 -41.725,-48.138 v1(-40.335,-49.528)
A7: D1.35 D9.31 D18.5 XS1.A21 XS2.A21 | length 173.8
  Top Layer, Top w0.15: v1(-121.003,-20.745) -121.003,-20.867 -120.855,-21.015 -120.855,-21.04 -120.4,-21.494 -120.4,-27.873 -120.833,-28.307 -120.833,-50.789 -116.962,-54.661 -103.627,-54.661 -100.166,-51.2 -99.777,-51.2 v1(-99.35,-50.772) ; D1.35@-112.45,-63.9 -112.45,-62.7 -111.875,-62.125 -108.612,-62.125 -106.55,-64.187 v1(-106.55,-64.995) ; v1(-103.136,-59.644) -103.04,-59.644 -98.096,-54.7 v1(-98,-54.7) -97.99,-54.69 -96.265,-54.69 D18.5@-96.255,-54.68 ; v1@-99.382,-50.732 -99.264,-50.614 -99.264,-50.3 -98.364,-49.4 -97.596,-49.4 -96.359,-48.163 -78.13,-48.163 -77.597,-47.63 -46.706,-47.63 -38.75,-39.674 D9.31@-38.75,-38.25
  Bottom Layer, Bottom w0.15: XS1.A21@-131.53,-18.51 -129.295,-20.745 v1(-121.003,-20.745) ; v1@-121.003,-20.677 -120.935,-20.677 -120.159,-19.902 -112.602,-19.902 XS2.A21@-111.21,-18.51 ; v1(-106.55,-64.995) -106.006,-64.995 -102.907,-61.897 -102.907,-59.995 -103.136,-59.766 v1(-103.136,-59.644) ; v1(-99.35,-50.772) -98,-52.122 v1(-98,-54.7)
A8: D1.36 D9.30 D18.27 XS1.B26 XS2.B26 | length 153.9
  Top Layer, Top w0.15: v1(-120.308,-31.132) -120.308,-34.561 -120.533,-34.786 -120.533,-50.665 -117.11,-54.088 v1(-112.705,-54.088) -103.478,-54.088 -98.49,-49.1 -97.72,-49.1 -96.483,-47.863 -84.658,-47.863 -84.376,-47.581 v1(-84.254,-47.581) ; v1(-113.65,-62.2) -113.25,-62.6 D1.36@-113.25,-63.9 ; D18.27@-85.205,-57.23 -85.153,-57.178 -83.792,-57.178 v1(-83.75,-57.137) ; v1@-84.132,-47.581 -83.528,-47.581 -83.253,-47.856 -78.247,-47.856 -77.721,-47.33 -46.83,-47.33 -39.25,-39.75 D9.30@-39.25,-38.25
  Bottom Layer, Bottom w0.15: XS1.B26@-136.866,-31.466 -135.535,-30.135 -125.446,-30.135 -124.448,-31.132 -120.483,-31.132 -120.445,-31.171 -116.329,-31.171 XS2.B26@-116.29,-31.21 ; v1(-113.65,-62.2) -112.705,-61.255 v1(-112.705,-54.088) ; v1(-84.254,-47.581) -82.777,-49.058 -82.777,-56.164 v1(-83.75,-57.137)
A9: D1.37 D9.29 D18.26 XS1.A27 XS2.A27 | length 151.6
  Top Layer, Top w0.15: v1(-119.94,-34.935) -119.94,-35.952 -120.233,-36.246 -120.233,-50.541 -116.986,-53.788 -113.433,-53.788 -113.003,-53.357 -103.172,-53.357 -98.615,-48.8 -97.844,-48.8 -96.608,-47.563 -85.049,-47.563 -84.492,-47.006 -83.365,-47.006 -83.09,-47.281 v1(-83.015,-47.281) ; v1(-114.85,-62.2) -114.85,-62.286 -114.05,-63.086 D1.37@-114.05,-63.9 ; D18.26@-85.17,-58.465 -85.15,-58.445 -83.795,-58.445 v1(-83.75,-58.4) ; v1@-82.977,-47.281 -82.702,-47.556 -78.371,-47.556 -77.845,-47.03 -47.022,-47.03 -39.75,-39.758 D9.29@-39.75,-38.25
  Bottom Layer, Bottom w0.15: XS1.A27@-131.53,-33.75 -125.406,-33.75 -124.156,-35 -120.005,-35 -119.882,-34.877 -115.896,-34.877 -114.77,-33.75 XS2.A27@-111.21,-33.75 ; v1(-114.85,-62.2) -113.298,-60.647 -113.298,-53.747 v1(-112.907,-53.357) ; v1(-83.75,-58.4) -82.477,-57.126 -82.477,-47.941 -83.015,-47.403 v1(-83.015,-47.281)